# Altium PCB TempdevAmmy230209.PcbDoc (part 5 of 5)
Units mm, origin at the board's own origin, x right, y up, seen from the top; angles counter-clockwise.
Board outline 80.31 x 100.3 mm, 4 copper layers (Top Layer, S1, S2, Bottom Layer), stack 0.603 mm thick; 947 components, 585 nets, 3026 pads, 279 vias.
Unrouted connection lines stored in the file: 1665.
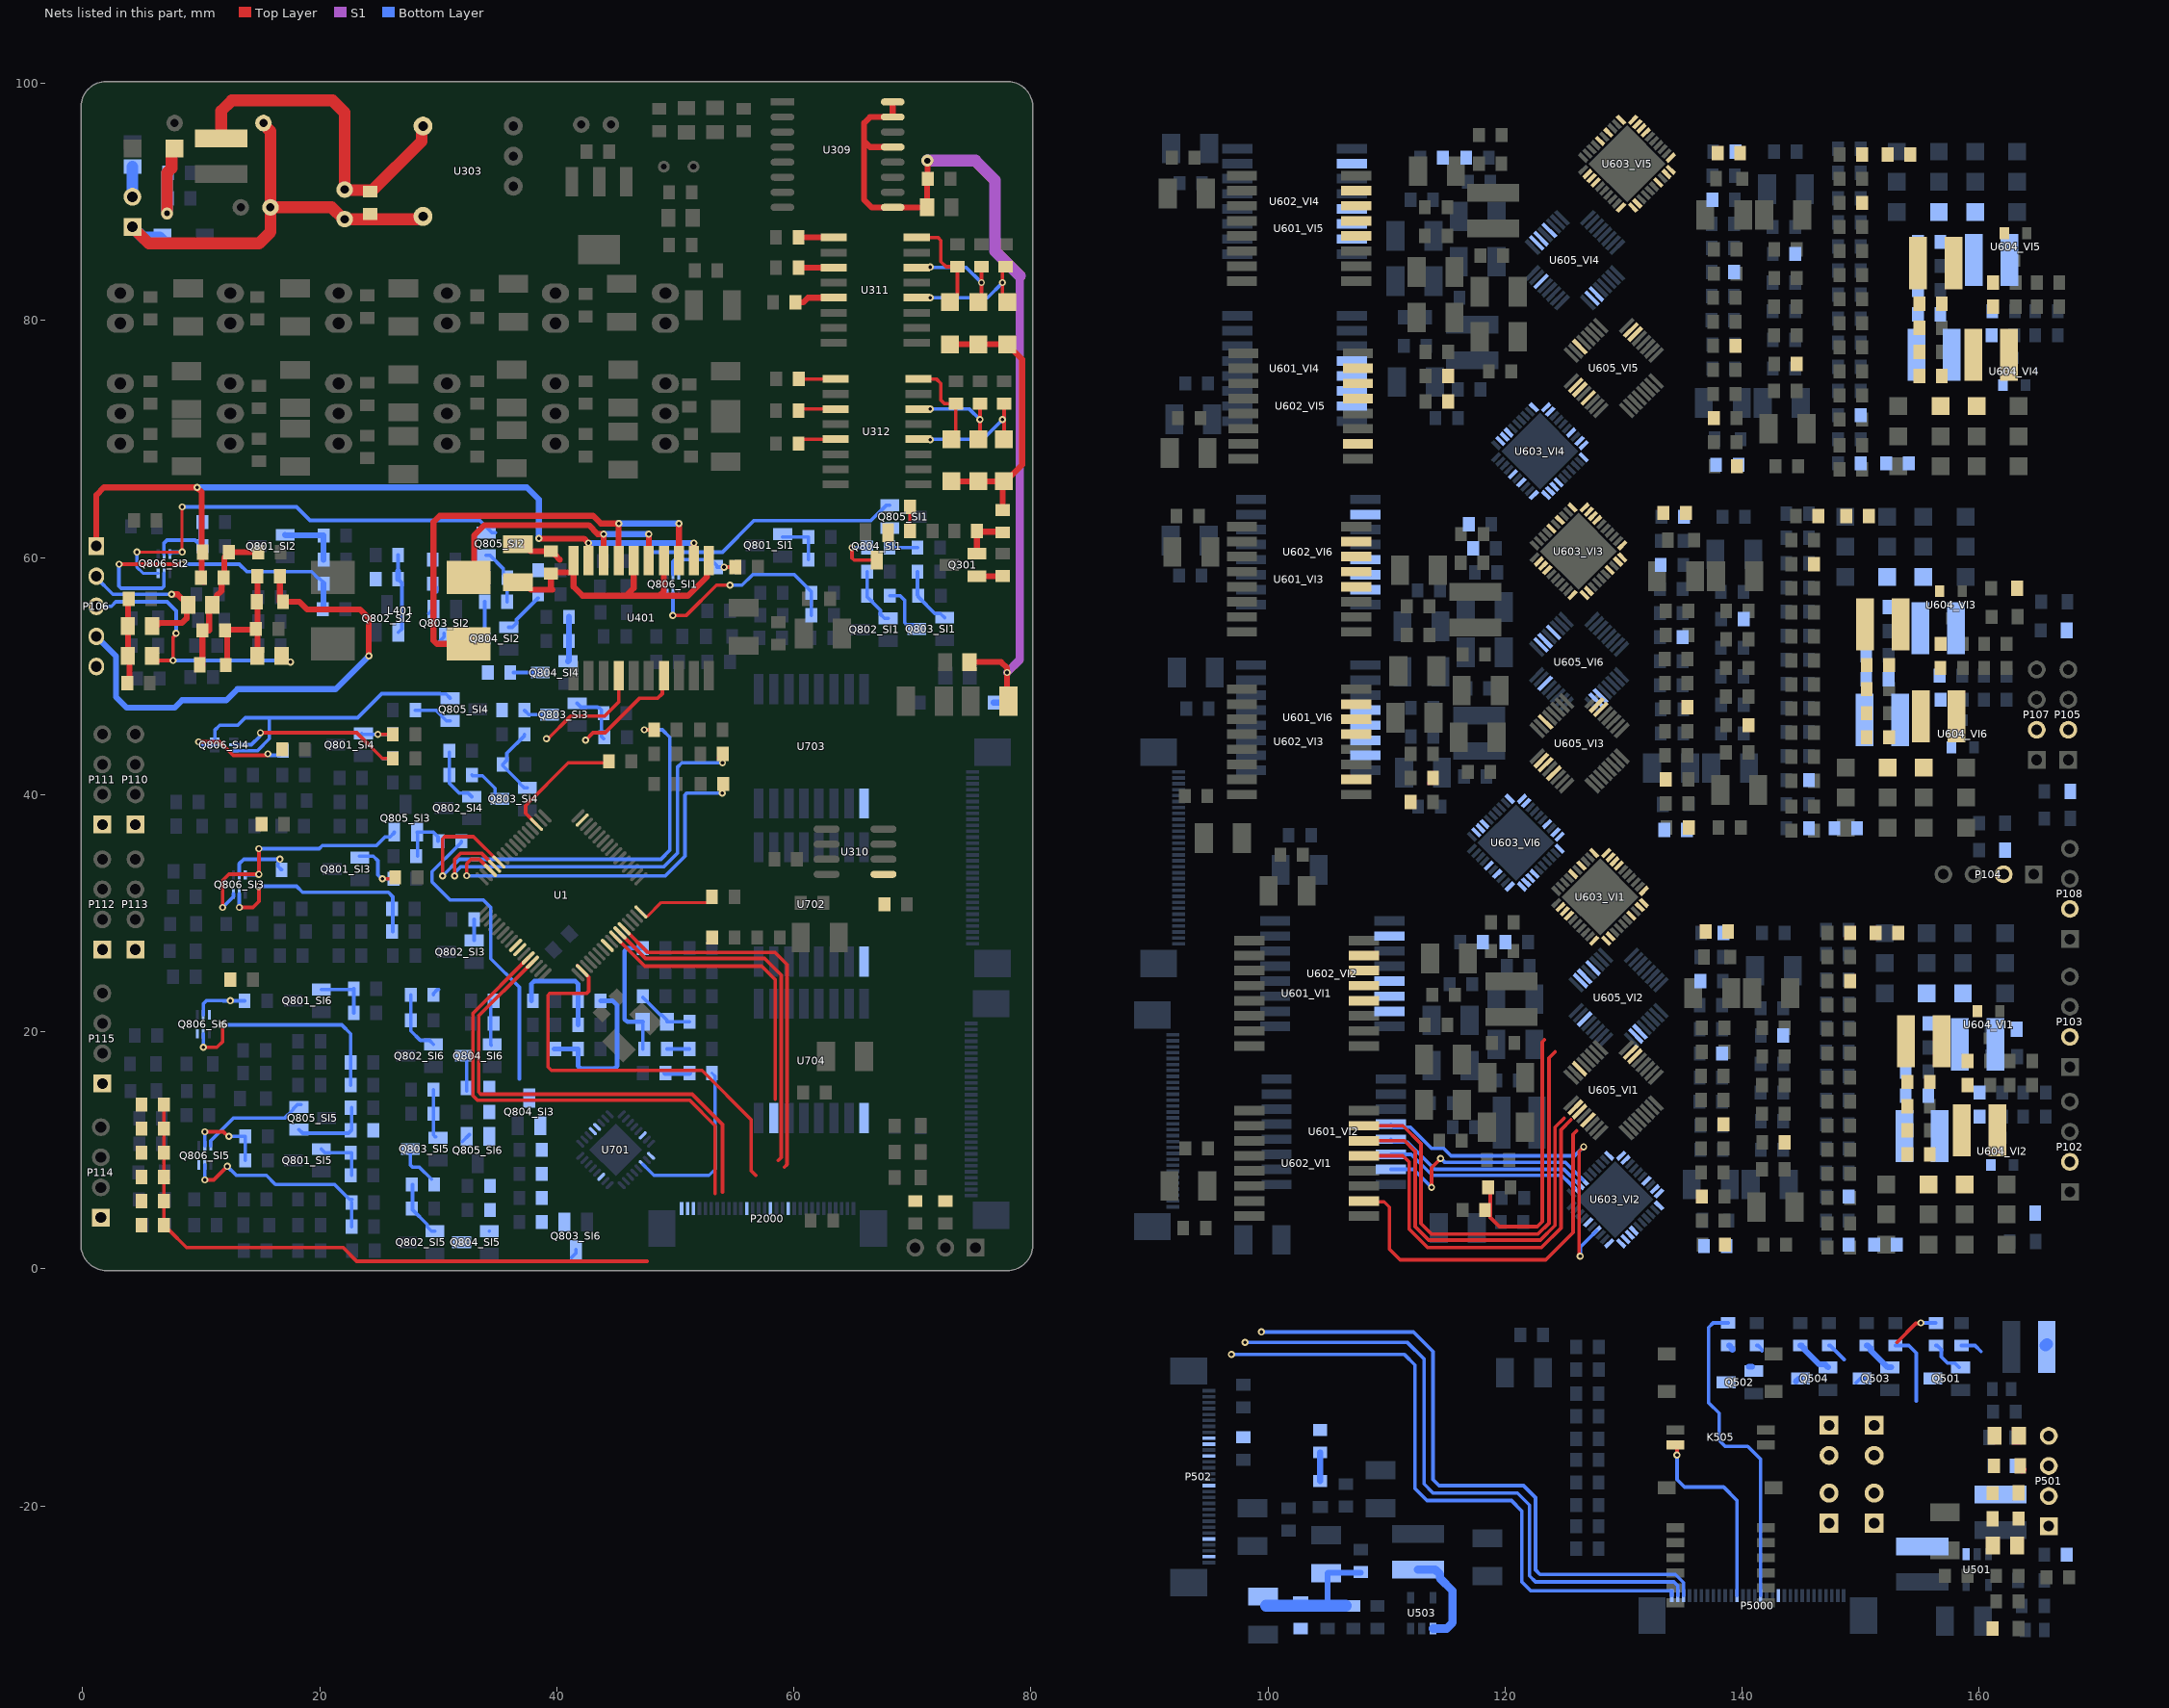
[diagram p7: the nets of this part, all layers, seen from the top]

## Via types
v1: diameter 0.6, hole 0.3, Top Layer to Bottom Layer, 166 vias
v2: diameter 0.5, hole 0.2, Top Layer to Bottom Layer, 96 vias
v3: diameter 0.5, hole 0.3, Top Layer to Bottom Layer, 9 vias
v4: diameter 1, hole 0.5, Top Layer to Bottom Layer, 8 vias

## Nets (pads, with @x,y where several pads share a name; then routed paths per layer and width w, separated by ;. In a path a pad name is that pad's centre, name@x,y a point inside that pad or via, vN(x,y) a via of type N, cw(c..) or ccw(c..) an arc to the next point about the centre after c; other vN are vias at no path point) (continued)
NetD301_2: D301.2 R301.2 R302.2 | length 9.2
  Top Layer w1: v4(7.112,89.027) 7.112,92.456 7.497,92.841 7.497,94.238 D301.2@7.747,94.488
  Bottom Layer w1: v4(7.112,89.027) R301.2@7.112,92.456
NetD303_1: D303.1 R306.2 U311.16 | length 8.8
  Top Layer w0.3: U311.16@70.358,86.995 72.136,86.995 72.39,86.741 72.39,84.963 72.832,84.521 R306.2@73.787,84.521 ; D303.1@73.152,81.534 73.787,82.169 R306.2@73.787,84.521 ; R306.2@73.887,84.521 R306.2@73.787,84.521
NetD303_2: D303.2 D304.2 D305.2 D306.2 D307.2 D308.2 R317.1 | length 24.7
  Top Layer w0.5: D303.2@73.152,77.978 D304.2@75.565,77.978 D305.2@77.978,77.978 79.248,76.708 79.248,67.818 D308.2@77.851,66.421 ; D306.2@73.279,66.421 D307.2@75.565,66.421 D308.2@77.724,66.421 77.597,66.294 R317.1@77.597,64.008 R317.1@77.818,63.787
NetD304_1: D304.1 R307.2 U311.14 | length 8
  Top Layer w0.3: D304.1@75.565,81.534 75.819,81.788 v1(75.819,83.185) R307.2@75.819,84.521
  Bottom Layer w0.3: v1(71.501,84.495) 71.541,84.455 74.549,84.455 v1(75.819,83.185)
NetD305_1: D305.1 R308.2 U311.12 | length 9.9
  Top Layer w0.3: R308.2@77.851,84.521 77.597,84.267 v1(77.597,83.185) 77.597,81.915 D305.1@77.978,81.534
  Bottom Layer w0.3: v1(71.501,81.915) 76.327,81.915 v1(77.597,83.185)
NetD306_1: D306.1 R309.2 U312.16 | length 8
  Top Layer w0.3: U312.16@70.5,75.057 72.009,75.057 72.39,74.676 72.39,73.279 72.705,72.964 R309.2@73.66,72.964 73.66,70.358 D306.1@73.279,69.977
NetD307_1: D307.1 R310.2 U312.14 | length 7.6
  Top Layer w0.3: D307.1@75.565,69.977 75.692,70.104 v1(75.692,71.628) R310.2@75.692,72.964
  Bottom Layer w0.3: v1(71.501,72.517) 74.803,72.517 v1(75.692,71.628)
NetD308_1: D308.1 R311.2 U312.12 | length 9.8
  Top Layer w0.3: D308.1@77.724,69.977 R311.2@77.724,72.964
  Bottom Layer w0.3: v1(71.501,69.937) 71.541,69.977 75.946,69.977 v1(77.597,71.628)
NetD401_1: D401.1 D402.2 PTC401.2 R401.2 R402.2 R403.2 | length 12.5
  Top Layer w0.5: D402.2@10.094,50.927 R403.2@10.094,53.848 ; 10.668,53.848 10.668,55.737 PTC401.2@10.938,56.007 ; PTC401.2@10.836,56.109 11.288,56.561 11.288,56.761 11.725,57.198 R401.2@11.725,58.293 ; R401.2@11.938,58.293 11.938,59.971 12.319,60.352 D401.1@12.319,60.452 R402.2@14.798,60.452
NetD402_1: D402.1 D403.2 PTC402.2 R403.1 R404.1 R405.2 | length 12.5
  Top Layer w0.5: R403.1@11.999,53.848 12.063,53.911 R403.1@12.192,53.911 ; D402.1@12.192,51.308 R403.1@12.192,53.911 ; R403.1@12.192,53.917 R403.1@12.192,53.911 ; PTC402.2@14.382,51.308 14.732,51.658 PTC402.2@14.732,51.689 R405.2@14.732,58.42 ; R404.1@14.605,53.975 14.541,53.911 R403.1@12.192,53.911
NetD501_2: D501.2 L501.2 R501.2
NetD506_1: D506.1 L502.2 R506.2 | length 0.2
  Bottom Layer w1: L502.2@165.584,-6.477 L502.2@165.711,-6.35
NetD508_1: D508.1 R517.2 | length 1.9
  Bottom Layer w0.3: R517.2@158.496,-6.477 159.639,-6.477 160.147,-6.985
NetD508_2: D508.2 Q501.1
NetD509_1: D509.1 R519.2 | length 0.7
  Bottom Layer w0.3: R519.2@141.224,-6.477 141.324,-6.477 141.674,-6.827 R519.2@141.674,-6.927
NetD509_2: D509.2 Q502.1
NetD510_1: D510.1 R521.2 | length 6.1
  Bottom Layer w0.3: R521.2@152.908,-6.477 154.051,-6.477 154.686,-7.112 154.686,-11.176
NetD510_2: D510.2 Q503.1 | length 0.9
  Bottom Layer w0.3: Q503.1@149.606,-9.621 149.956,-9.271 Q503.1@150.368,-9.271
NetD511_1: D511.1 R523.2 | length 1.8
  Bottom Layer w0.3: R523.2@147.32,-6.477 147.42,-6.477 148.59,-7.647
NetD511_2: D511.2 Q504.1 | length 0.5
  Bottom Layer w0.5: Q504.1@144.526,-9.521 144.776,-9.271 Q504.1@144.907,-9.271
NetD512_1: D512.1 L503.2 U501.1
NetD513_1: D513.1 R527.1 | length 2.4
  Bottom Layer w0.5: D513.1@104.394,-17.907 R527.1@104.394,-15.494
NetD514_1: D514.1 L504.2 U503.1 | length 8.4
  Bottom Layer w0.7: L504.2@112.649,-25.376 114.099,-25.376 114.499,-25.776 114.499,-26.107 115.57,-27.178 115.57,-29.845 115.062,-30.353 U503.1@113.914,-30.353
NetL401_1: L401.1 U401.15 U401.18 | length 23.6
  Top Layer w0.5: L401.1@32.55,58.316 33.02,58.786 33.02,61.872 33.874,62.726 42.684,62.726 43.434,61.976 v1(43.942,61.976) U401.18@43.942,59.738 ; U401.15@47.752,59.738 v1(47.752,61.976)
  Bottom Layer w0.5: v1(43.942,61.976) v1(47.752,61.976)
NetL401_2: L401.2 U401.13 U401.17 | length 40.5
  Top Layer w0.5: L401.2@32.55,52.705 29.884,52.705 29.591,52.998 29.591,62.992 30.109,63.51 43.056,63.51 43.701,62.865 v1(45.212,62.865) U401.17@45.212,59.738 ; U401.13@50.292,59.738 v1(50.292,62.865)
  Bottom Layer w0.5: v1(45.212,62.865) v1(50.292,62.865)
NetNTC701_1: NTC701.1 R703.2 R704.2 | length 4.9
  Bottom Layer w0.3: R703.2@47.249,22.887 48.708,21.428 48.826,21.428 49.276,20.978 NTC701.1@49.276,20.828 R704.2@51.181,20.828
NetNTC701_2: NTC701.2 R701.2 R702.2 | length 11.3
  Bottom Layer w0.3: NTC701.2@47.228,20.828 47.244,20.812 R701.2@47.244,18.509
  Bottom Layer w0.381: NTC701.2@47.228,20.828 45.943,20.828 45.72,21.051 45.72,26.797 45.974,27.051 R702.2@47.249,27.051
NetP502_5: P502.5 R527.2
NetP502_22: P502.22 R528.2
NetQ301_2: Q301.2 R317.2 R318.1 | length 4.1
  Top Layer w0.5: Q301.2@75.438,60.325 75.433,60.33 R318.1@75.433,62.23 75.494,62.169 77.536,62.169 R317.2@77.597,62.108
NetQ501_2: Q501.2 R518.2 | length 3.1
  Bottom Layer w0.3: R518.2@156.337,-6.477 156.437,-6.477 156.787,-6.827 156.787,-7.435 157.318,-7.966 157.941,-7.966 Q501.2@158.291,-8.316
NetQ502_2: Q502.2 R520.2 | length 0.8
  Bottom Layer w0.5: R520.2@138.911,-6.472 139.161,-6.722 R520.2@139.161,-6.822 ; Q502.2@140.543,-8.255 Q502.2@140.843,-8.255
NetQ503_2: Q503.2 R522.2 | length 2.9
  Bottom Layer w0.5: R522.2@150.495,-6.477 150.595,-6.477 150.845,-6.727 150.845,-6.885 152.276,-8.316 Q503.2@152.576,-8.316
NetQ504_2: Q504.2 R524.2 | length 3.2
  Bottom Layer w0.5: R524.2@144.907,-6.477 145.007,-6.477 145.257,-6.727 145.257,-6.827 146.496,-8.066 146.992,-8.066 Q504.2@147.242,-8.316
NetQ801_SI1_2: Q801_SI1.2 R802_SI1.1 R803_SI1.1 | length 4.1
  Bottom Layer w0.3: Q801_SI1.2@59.055,61.727 61.209,61.727 R803_SI1.1@61.214,61.722 R802_SI1.1@61.214,59.817
NetQ801_SI2_2: Q801_SI2.2 R802_SI2.1 R803_SI2.1 | length 5.3
  Bottom Layer w0.5: Q801_SI2.2@17.067,61.915 17.1,61.882 20.287,61.882 R803_SI2.1@20.32,61.849 R802_SI2.1@20.32,59.817
NetQ801_SI3_2: Q801_SI3.2 R802_SI3.1 R803_SI3.1 | length 5.4
  Top Layer w0.3: v1@25.4,32.893 26.228,32.893 R802_SI3.1@26.355,33.02
  Bottom Layer w0.3: Q801_SI3.2@23.356,34.798 24.511,34.798 24.892,34.417 24.892,33.219 25.218,32.893 R803_SI3.1@26.228,32.893
  other v1: 25.273,32.893
NetQ801_SI4_2: Q801_SI4.2 R802_SI4.1 R803_SI4.1 | length 3.9
  Top Layer w0.3: v1(24.892,45.085) R802_SI4.1@26.162,45.085
  Bottom Layer w0.3: Q801_SI4.2@23.544,45.151 23.61,45.085 v1(24.892,45.085) R803_SI4.1@26.162,45.085
NetQ801_SI5_2: Q801_SI5.2 R802_SI5.1 R803_SI5.1 | length 4.6
  Bottom Layer w0.3: Q801_SI5.2@20.115,10.099 20.435,9.779 22.672,9.779 R802_SI5.1@22.672,7.874
NetQ801_SI6_2: Q801_SI6.2 R802_SI6.1 R803_SI6.1 | length 4.8
  Bottom Layer w0.3: Q801_SI6.2@20.115,23.561 22.799,23.561 R803_SI6.1@22.86,23.622 R802_SI6.1@22.86,21.59
NetQ802_SI1_2: Q802_SI1.2 R801_SI1.1 R804_SI1.1 | length 4.9
  Bottom Layer w0.3: R801_SI1.1@66.172,58.801 R804_SI1.1@66.172,56.769 66.172,56.669 R804_SI1.1@66.522,56.319 ; R804_SI1.1@66.622,56.319 R804_SI1.1@66.522,56.319 ; Q802_SI1.2@67.945,54.864 67.645,54.864 67.295,55.214 67.295,55.546 R804_SI1.1@66.522,56.319
NetQ802_SI2_2: Q802_SI2.2 R801_SI2.1 R804_SI2.1 | length 7.4
  Bottom Layer w0.3: R801_SI2.1@26.604,60.198 R804_SI2.1@26.604,58.166 26.924,57.846 26.924,53.975 Q802_SI2.2@26.631,53.682
  Bottom Layer w0.5: R804_SI2.1@26.604,58.166 26.609,58.171 26.609,58.842
NetQ802_SI3_2: Q802_SI3.2 R801_SI3.1 R804_SI3.1 | length 1.8
  Bottom Layer w0.3: R801_SI3.1@33.015,29.464 33.02,29.459 Q802_SI3.2@33.02,27.686
NetQ802_SI4_2: Q802_SI4.2 R801_SI4.1 R804_SI4.1 | length 5
  Bottom Layer w0.3: R801_SI4.1@30.927,43.561 30.927,40.955 31.772,40.11 32.522,40.11 Q802_SI4.2@32.815,39.817
NetQ802_SI5_2: Q802_SI5.2 R801_SI5.1 R804_SI5.1 | length 4.9
  Bottom Layer w0.3: R804_SI5.1@27.818,7.112 27.818,5.08 27.818,4.98 29.068,3.73 29.068,3.525 29.418,3.175 Q802_SI5.2@29.718,3.175
NetQ802_SI6_2: Q802_SI6.2 R801_SI6.1 R804_SI6.1 | length 5.4
  Bottom Layer w0.3: R804_SI6.1@27.686,23.114 R801_SI6.1@27.686,20.955 27.686,20.066 28.479,19.273 29.241,19.273 Q802_SI6.2@29.591,18.923
NetQ803_SI1_1: Q803_SI1.1 R804_SI1.2 | length 4.6
  Bottom Layer w0.3: R804_SI1.2@68.072,56.769 68.961,56.769 69.342,56.388 69.342,54.496 69.518,54.32 70.02,54.32 Q803_SI1.1@70.37,53.97
NetQ803_SI1_2: Q803_SI1.2 R805_SI1.1 R806_SI1.1 | length 5.1
  Bottom Layer w0.3: R805_SI1.1@70.424,58.801 70.424,56.835 R806_SI1.1@70.49,56.769 70.49,56.669 71.884,55.275 72.355,55.275 Q803_SI1.2@72.705,54.925
NetQ803_SI2_1: Q803_SI2.1 R804_SI2.2 | length 0.8
  Bottom Layer w0.3: Q803_SI2.1@30.13,52.959 30.48,53.309 Q803_SI2.1@30.48,53.594
NetQ803_SI2_2: Q803_SI2.2 R805_SI2.1 R806_SI2.1 | length 3.7
  Bottom Layer w0.3: Q803_SI2.2@29.175,55.279 29.525,55.629 Q803_SI2.2@29.525,55.929 ; R805_SI2.1@29.53,59.817 R806_SI2.1@29.53,57.785 29.88,57.435 29.88,57.103
NetQ803_SI3_1: Q803_SI3.1 R804_SI3.2 | length 2.3
  Bottom Layer w0.3: R804_SI3.2@37.272,47.117 37.272,47.086 37.622,46.736 Q803_SI3.1@39.37,46.736
NetQ803_SI3_2: Q803_SI3.2 R805_SI3.1 R806_SI3.1 | length 4.8
  Bottom Layer w0.3: Q803_SI3.2@41.705,47.691 42.025,47.371 43.421,47.371 43.479,47.313 43.597,47.313 43.754,47.156 43.754,44.892 R806_SI3.1@43.942,44.704
NetQ803_SI4_1: Q803_SI4.1 R804_SI4.2 | length 3.5
  Bottom Layer w0.3: R804_SI4.2@32.827,41.656 32.9,41.583 33.728,41.583 34.786,40.525 34.786,39.974 35.136,39.624 Q803_SI4.1@35.179,39.624
NetQ803_SI4_2: Q803_SI4.2 R805_SI4.1 R806_SI4.1 | length 6.3
  Bottom Layer w0.3: R805_SI4.1@37.272,45.085 37.272,44.985 35.783,43.496 35.783,42.895 R806_SI4.1@35.433,42.545 35.433,42.445 36.864,41.014 36.864,40.929 37.214,40.579 Q803_SI4.2@37.514,40.579
NetQ803_SI5_1: Q803_SI5.1 R804_SI5.2 | length 3.6
  Bottom Layer w0.3: Q803_SI5.1@27.637,10.099 27.637,8.751 27.813,8.575 28.399,8.575 R804_SI5.2@29.415,7.559
NetQ803_SI5_2: Q803_SI5.2 R805_SI5.1 R806_SI5.1 | length 4.1
  Bottom Layer w0.3: R805_SI5.1@29.591,15.113 R806_SI5.1@29.591,13.081 29.591,11.291 Q803_SI5.2@29.767,11.115
NetQ803_SI6_1: Q803_SI6.1 R804_SI6.2 | length 1.5
  Bottom Layer w0.3: R804_SI6.2@29.586,23.114 29.586,23.214 29.936,23.564 R804_SI6.2@30.036,23.564 ; Q803_SI6.1@41.245,0.952 41.595,1.302 Q803_SI6.1@41.595,1.602
NetQ803_SI6_2: Q803_SI6.2 R805_SI6.1 R806_SI6.1
NetQ804_SI1_1: Q804_SI1.1 R807_SI1.1 | length 4.4
  Top Layer w0.3: v1(64.897,60.833) 64.897,59.944 65.073,59.768 Q804_SI1.1@66.99,59.768
  Bottom Layer w0.3: v1@64.785,60.833 R807_SI1.1@66.167,60.833
NetQ804_SI1_2: Q804_SI1.2 R808_SI1.1 R810_SI1.1 | length 1.9
  Top Layer w0.3: R810_SI1.1@69.789,62.23 R808_SI1.1@69.789,64.135
NetQ804_SI2_1: Q804_SI2.1 R807_SI2.1 | length 2.7
  Bottom Layer w0.3: Q804_SI2.1@33.909,53.594 R807_SI2.1@33.909,56.261
NetQ804_SI2_2: Q804_SI2.2 R808_SI2.1 R810_SI2.1 | length 3.7
  Bottom Layer w0.3: Q804_SI2.2@35.941,54.107 36.241,54.107 36.591,54.457 36.591,54.757 R810_SI2.1@38.415,56.581
NetQ804_SI3_1: Q804_SI3.1 R807_SI3.1 | length 25.8
  Bottom Layer w0.3: R807_SI3.1@31.938,36.068 31.938,35.968 31.588,35.618 29.464,33.494 29.464,32.639 30.988,31.115 33.782,31.115 34.417,30.48 34.417,26.162 36.83,23.749 36.83,16.002
NetQ804_SI3_2: Q804_SI3.2 R808_SI3.1 R810_SI3.1
NetQ804_SI4_1: Q804_SI4.1 R807_SI4.1 | length 2.3
  Bottom Layer w0.3: R807_SI4.1@36.322,50.292 Q804_SI4.1@38.608,50.292
NetQ804_SI4_2: Q804_SI4.2 R808_SI4.1 R810_SI4.1 | length 3.8
  Bottom Layer w0.5: Q804_SI4.2@40.943,51.247 Q804_SI4.2@41.016,51.32 ; R810_SI4.1@41.016,54.991 R808_SI4.1@41.016,52.959 Q804_SI4.2@41.016,51.32 ; Q804_SI4.2@41.021,51.325 Q804_SI4.2@41.016,51.32
NetQ804_SI5_1: Q804_SI5.1 R807_SI5.1
NetQ804_SI5_2: Q804_SI5.2 R808_SI5.1 R810_SI5.1 | length 0
NetQ804_SI6_1: Q804_SI6.1 R807_SI6.1 | length 3
  Bottom Layer w0.3: Q804_SI6.1@32.131,18.156 Q804_SI6.1@32.39,17.897 ; R807_SI6.1@32.39,14.986 Q804_SI6.1@32.39,17.648
NetQ804_SI6_2: Q804_SI6.2 R808_SI6.1 R810_SI6.1 | length 3.8
  Bottom Layer w0.3: R808_SI6.1@34.417,22.606 34.417,20.828 34.417,18.911 Q804_SI6.2@34.466,18.862
NetQ805_SI1_1: Q805_SI1.1 R807_SI1.2 R809_SI1.1 | length 4
  Bottom Layer w0.3: Q805_SI1.1@68.072,62.484 68.067,62.479 R807_SI1.2@68.067,60.833 R809_SI1.1@70.424,60.833
NetQ805_SI1_2: Q805_SI1.2 Q806_SI1.3 Q806_SI1.6 | length 21.8
  Bottom Layer w0.3: 48.034,60.452 53.975,60.452 56.642,63.119 66.497,63.119 67.772,64.394 Q805_SI1.2@68.072,64.394 ; Q806_SI1.6@49.259,57.023 49.284,56.998 Q806_SI1.6@49.284,56.947
NetQ805_SI2_1: Q805_SI2.1 R807_SI2.2 R809_SI2.1 | length 4.8
  Bottom Layer w0.3: Q805_SI2.1@34.036,60.193 34.336,60.193 35.464,59.065 35.464,58.643 R809_SI2.1@35.814,58.293 35.809,58.288 R807_SI2.2@35.809,56.261
NetQ805_SI2_2: Q805_SI2.2 Q806_SI2.3 Q806_SI2.6 | length 39
  Top Layer w0.254: v1(4.572,60.452) v1(8.382,60.452) v1(8.382,64.262)
  Bottom Layer w0.254: v1(4.572,60.452) 4.572,59.182 5.08,58.674 Q806_SI2.6@6.358,58.674
  Bottom Layer w0.3: Q806_SI2.3@7.358,60.274 7.358,60.427 7.383,60.452 8.047,60.452 ; v1(8.382,64.262) 18.034,64.262 19.172,63.124 33.477,63.124 34.498,62.103 Q805_SI2.2@34.798,62.103
NetQ805_SI3_1: Q805_SI3.1 R807_SI3.2 R809_SI3.1 | length 4.4
  Bottom Layer w0.3: R809_SI3.1@28.255,34.798 28.255,36.769 Q805_SI3.1@28.194,36.83 29.564,36.83 29.972,36.422 R807_SI3.2@29.972,36.068
NetQ805_SI3_2: Q805_SI3.2 Q806_SI3.3 Q806_SI3.6 | length 22.4
  Top Layer w0.3: v1(11.811,30.48) 11.811,32.766 12.319,33.274 v1(14.859,33.274) v1(14.859,35.433)
  Bottom Layer w0.3: v1(11.811,30.48) 11.811,30.501 12.708,31.398 Q806_SI3.6@12.708,31.623 ; Q806_SI3.3@13.708,33.223 14.808,33.223 v1(14.859,33.274) ; v1(14.859,35.433) 19.939,35.433 20.201,35.695 24.773,35.695 25.51,36.432 25.934,36.432 26.284,36.782 Q805_SI3.2@26.284,36.83
NetQ805_SI4_1: Q805_SI4.1 R807_SI4.2 R809_SI4.1 | length 3.3
  Bottom Layer w0.3: R809_SI4.1@28.062,47.117 29.794,47.117 30.688,46.223 Q805_SI4.1@30.988,46.223
NetQ805_SI4_2: Q805_SI4.2 Q806_SI4.3 Q806_SI4.6 | length 27.2
  Bottom Layer w0.3: Q806_SI4.3@11.138,44.696 11.138,45.428 11.565,45.855 13.089,45.855 13.716,46.482 15.748,46.482 ; Q806_SI4.6@12.738,43.696 14.74,43.696 15.748,44.704 15.748,46.482 ; Q805_SI4.2@30.988,48.133 30.638,48.483 30.193,48.483 30.162,48.514 25.218,48.514 23.186,46.482 15.748,46.482
NetQ805_SI5_1: Q805_SI5.1 R807_SI5.2 R809_SI5.1 | length 6.6
  Bottom Layer w0.3: Q805_SI5.1@18.239,11.745 18.554,11.43 22.418,11.43 22.672,11.684 R809_SI5.1@22.672,13.589
NetQ805_SI5_2: Q805_SI5.2 Q806_SI5.3 Q806_SI5.6 | length 9.3
  Bottom Layer w0.3: Q806_SI5.3@10.795,10.363 10.795,10.795 12.7,12.7 17.018,12.7 17.765,13.447 17.765,13.498 18.115,13.848 Q805_SI5.2@18.415,13.848
NetQ805_SI6_1: Q805_SI6.1 R807_SI6.2 R809_SI6.1 | length 0.8
  Bottom Layer w0.3: Q805_SI6.1@32.03,10.723 Q805_SI6.1@32.619,11.312
NetQ805_SI6_2: Q805_SI6.2 Q806_SI6.3 Q806_SI6.6
NetQ806_SI1_2: Q806_SI1.2 R811_SI1.2 R812_SI1.2 | length 6.6
  Top Layer w0.3: v1(54.102,59.182) R811_SI1.2@55.057,59.182 R811_SI1.2@55.062,59.187
  Bottom Layer w0.3: Q806_SI1.2@49.784,58.547 49.784,59.641 49.96,59.817 52.998,59.817 53.183,59.632 R812_SI1.2@53.461,59.354 ; R812_SI1.2@53.533,59.182 v1(54.102,59.182)
NetQ806_SI1_5: Q806_SI1.5 R813_SI1.2 R814_SI1.2 | length 17.5
  Top Layer w0.3: v1(49.784,55.118) 50.927,55.118 53.467,57.658 v1(54.61,57.658)
  Bottom Layer w0.3: v1(49.784,55.118) Q806_SI1.5@49.784,56.947 ; v1(54.61,57.658) 55.626,57.658 56.515,58.547 60.044,58.547 61.468,57.123 R813_SI1.2@61.468,57.023 R814_SI1.2@61.468,55.118
NetQ806_SI2_2: Q806_SI2.2 R811_SI2.2 R812_SI2.2 | length 6.4
  Bottom Layer w0.3: Q806_SI2.2@6.858,60.274 6.858,61.214 7.112,61.468 9.464,61.468 R811_SI2.2@9.906,61.026 ; R811_SI2.2@9.972,60.96 R811_SI2.2@9.906,61.026 ; R812_SI2.2@9.972,62.992 9.906,62.926 R811_SI2.2@9.906,61.026
NetQ806_SI2_5: Q806_SI2.5 R813_SI2.2 R814_SI2.2 | length 26.9
  Top Layer w0.3: v1(3.063,59.436) v1(8.382,59.436)
  Bottom Layer w0.3: v1(3.063,59.436) 3.048,59.421 3.048,57.58 3.224,57.404 6.682,57.404 6.858,57.58 Q806_SI2.5@6.858,58.674 ; v1(8.382,59.436) 13.208,59.436 13.843,58.801 19.304,58.801 19.87,58.235 19.97,58.235 20.32,57.885 R813_SI2.2@20.32,57.785
  Bottom Layer w0.5: R814_SI2.2@20.32,55.753 R813_SI2.2@20.32,57.785
NetQ806_SI3_2: Q806_SI3.2 R811_SI3.2 R812_SI3.2 | length 5.8
  Top Layer w0.3: R811_SI3.2@14.76,37.818 R811_SI3.2@15.08,37.498
  Bottom Layer w0.3: Q806_SI3.2@13.208,33.223 13.208,34.163 13.589,34.544 16.424,34.544 16.473,34.495 16.473,33.951 R812_SI3.2@16.769,33.655